# KiCad board CPU2908C3bak.kicad_pcb (continued)
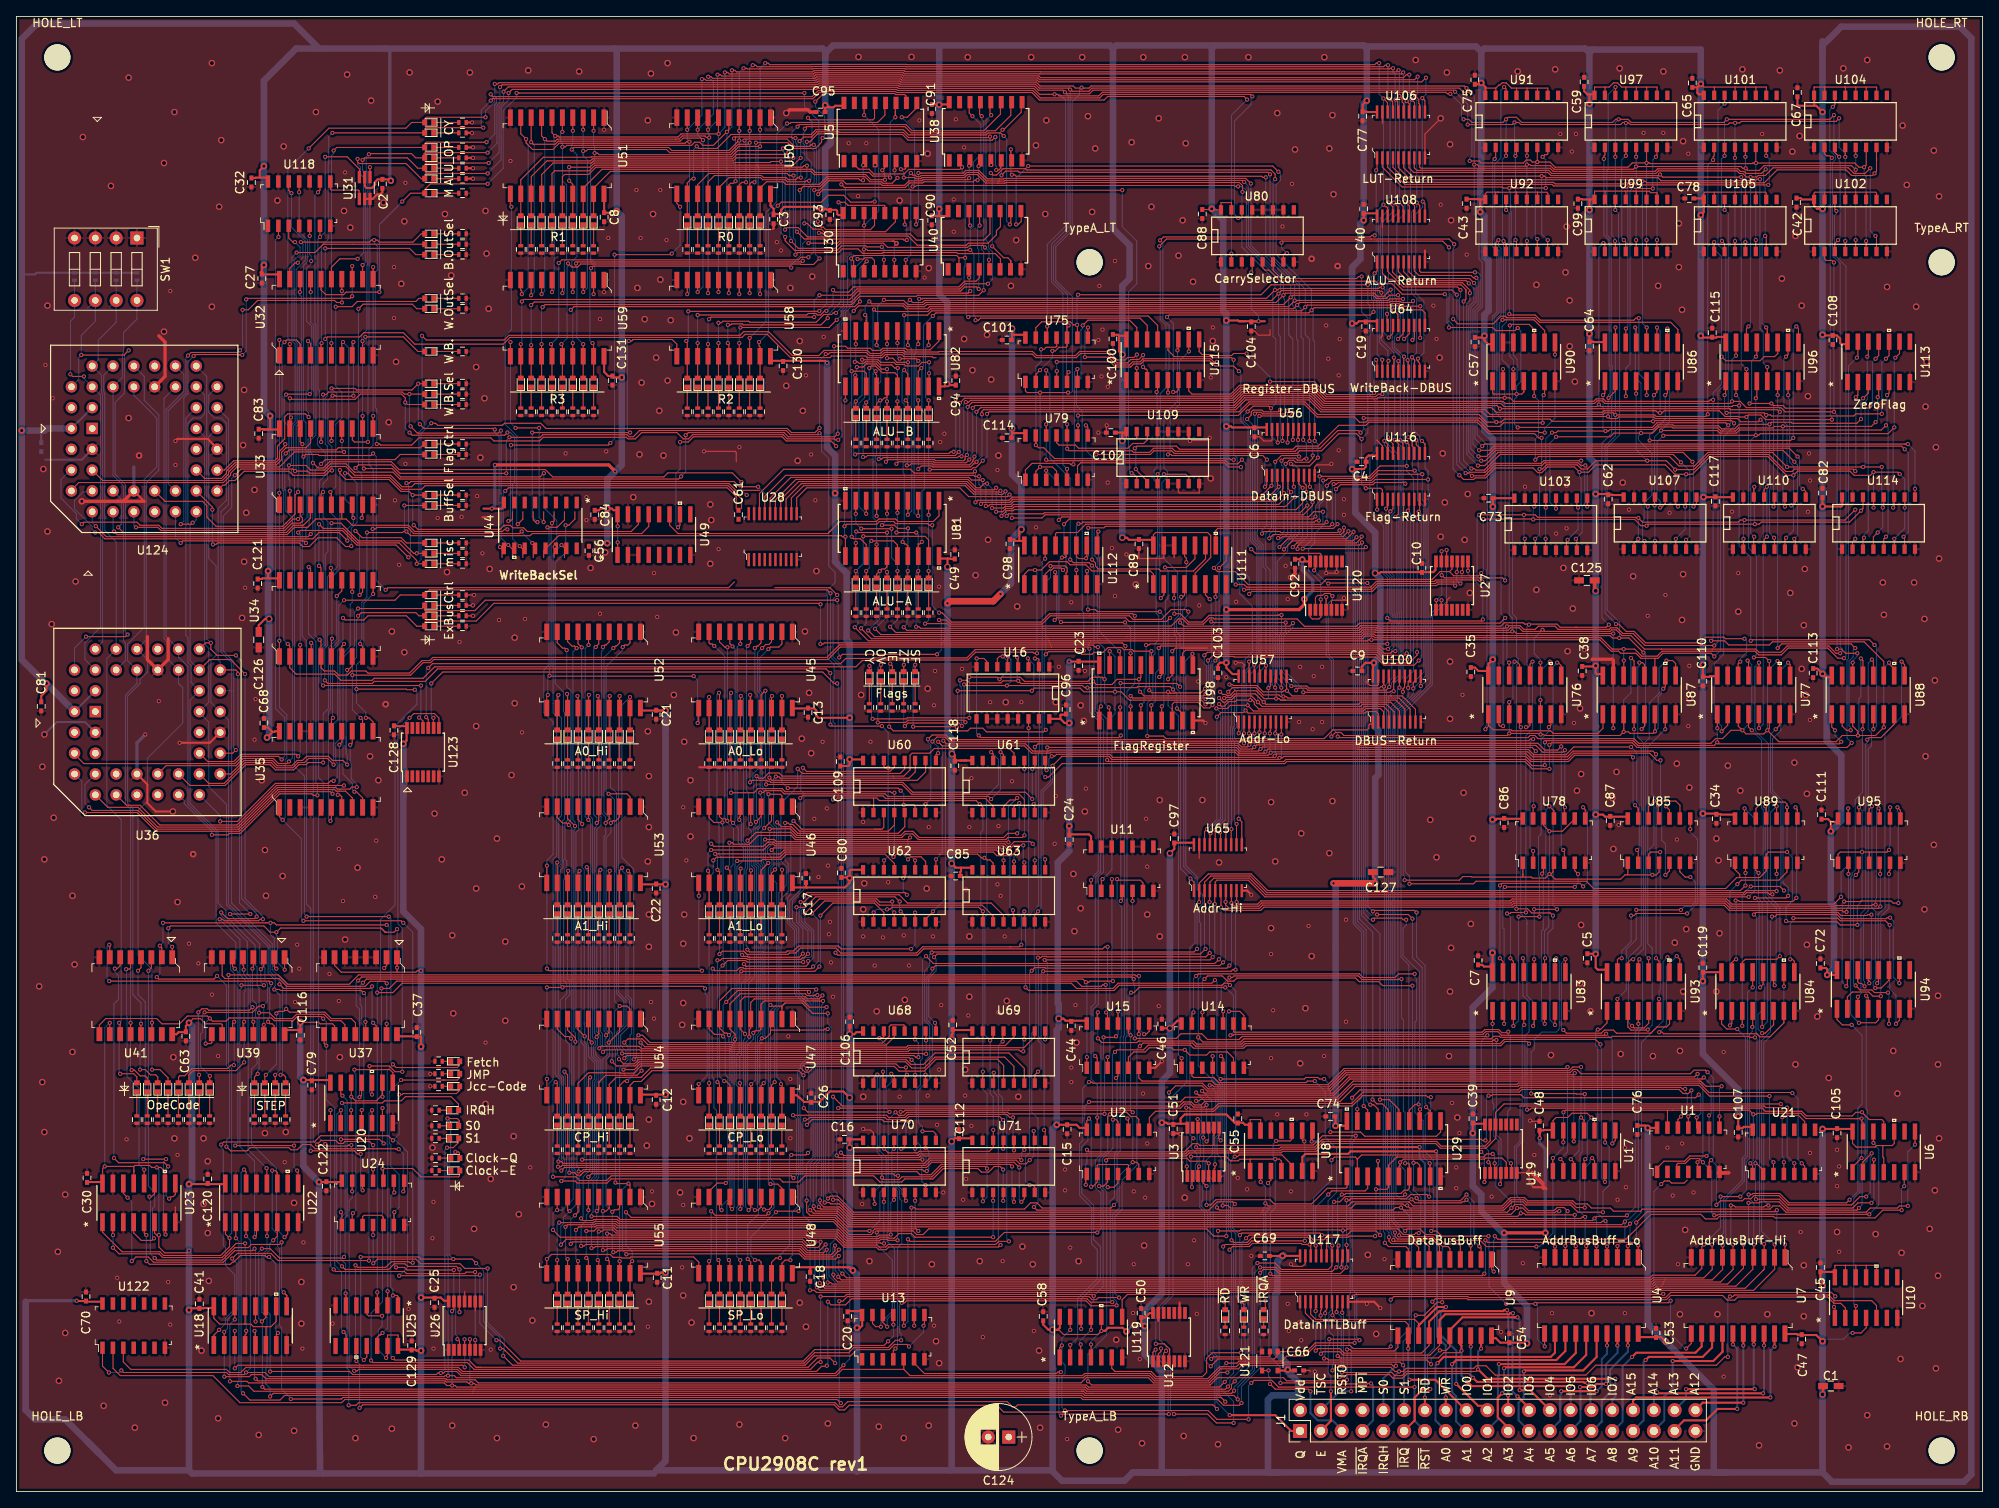
[diagram p0: board, top side]
## Routing (per net, layer and track width the routed paths; a pad name or vN(x,y) marks a point on that pad's centre or on a via; arc(x,y) is an arc through that point) (continued)
Net-(D147-Pad1): length 1
  Top w0.127: D147.1 147.54,20.14
Net-(D147-Pad2): length 47.1
  Top w0.127: U8.9 156.94,42.93 157.15,42.73 v1(157.21,42.73) ; v1(147.31,29.9) 147.56,30.15 150.35,30.15 150.79,30.59 v1(157.27,30.59) ; D147.2 147.54,23.06 v1(147.43,23.17) 147.43,23.52 146.9,24.06 135.62,24.06 134.97,23.41 U119.8
  Bottom w0.127: v1(147.31,29.9) 147.31,23.3 v1(147.43,23.17) ; v1(157.27,30.59) 157.27,42.67 v1(157.21,42.73)
Net-(D148-Pad1): length 2.9
  Top w0.127: D148.1 32.86,45.9
Net-(D149-Pad1): length 2.9
  Top w0.127: D149.1 31.59,45.9
Net-(D150-Pad1): length 2.9
  Top w0.127: D150.1 30.32,45.9
Net-(D151-Pad1): length 2.9
  Top w0.127: D151.1 29.05,45.9
Net-(D152-Pad1): length 2.9
  Top w0.127: D152.1 23.59,45.9
Net-(D153-Pad1): length 2.9
  Top w0.127: D153.1 22.32,45.9
Net-(D154-Pad1): length 2.9
  Top w0.127: D154.1 21.05,45.9
Net-(D155-Pad1): length 3
  Top w0.127: D155.1 19.78,45.78
Net-(D156-Pad1): length 2.9
  Top w0.127: D156.1 18.51,45.9
Net-(D157-Pad1): length 2.9
  Top w0.127: D157.1 17.24,45.9
Net-(D158-Pad1): length 2.9
  Top w0.127: D158.1 15.97,45.9
Net-(D159-Pad1): length 2.8
  Top w0.127: D159.1 14.7,46.03
Net-(D160-Pad1): length 1.4
  Top w0.127: D160.1 51.67,40.69
Net-(D161-Pad1): length 1.4
  Top w0.127: D161.1 51.67,39.17
Net-(D182-Pad1): length 0.9
  Top w0.127: R187.2 52.93,50.98
Net-(D183-Pad1): length 1.1
  Top w0.127: R188.2 53.06,49.46
Net-(D184-Pad1): length 1.2
  Top w0.127: D184.1 51.66,46.54
Net-(D184-Pad2): length 264.4
  Top w0.127: v1(39.74,47.43) 44.67,47.43 44.93,47.68 46.98,47.68 47.48,48.19 53.07,48.19 53.96,47.3 53.96,46.66 ; v1(189.72,40.57) 189.73,40.57 190.09,40.21 U17.3 ; U17.11 191.36,45.28 v1(190.99,45.65) ; v1(145.66,49.58) 146.01,49.58 146.2,49.39 160.2,49.39 162.17,51.36 189.53,51.36 189.98,51.81 v1(190.98,51.81) ; v1(40.19,24.19) 40.23,24.14 U25.6 ; v1(146.54,10.09) 146.04,10.59 122.23,10.59 121.99,10.35 121.57,10.35 120.94,10.98 101.47,10.98 100.84,10.35 100.42,10.35 99.92,10.85 41.77,10.85 41.46,10.54 v1(40.57,10.54)
  Bottom w0.127: v1(189.72,40.57) 190.74,41.59 190.74,45.4 v1(190.99,45.65) 190.98,45.66 v1(190.98,51.81) ; v1(145.66,49.58) 146.42,48.82 146.42,43.87 146.01,43.46 146.01,41.19 145.09,40.27 145.09,38.34 145.71,37.71 145.71,17.01 146.29,16.44 146.29,10.34 v1(146.54,10.09) ; v1(40.57,10.54) 40.57,14.85 40.37,15.04 40.37,23.64 40.19,23.83 v1(40.19,24.19) 40.19,27.78 39.55,28.42 39.55,33.4 39.74,33.58 39.75,33.58 40.12,33.95 40.12,47.04 v1(39.74,47.43)
Net-(D185-Pad1): length 1.1
  Top w0.127: R190.2 53.06,52.51
Net-(R170-Pad2): length 1.2
  Top w0.127: S0.1 51.66,44.63
Net-(R171-Pad2): length 1.2
  Top w0.127: S1.1 51.66,43.11
Net-(U1-Pad3): length 41.6
  Top w0.127: v1(226.17,33.84) 225.82,33.84 207.73,33.84 207.6,33.71 v1(207.25,33.71) ; 202.66,38.88 202.66,39.92 202.81,40.06 203.72,40.06 204.29,40.63 205.41,40.63 v1(205.85,40.19) ; U6.12 226.66,42.57
  Bottom w0.127: v1(207.25,33.71) 206.94,34.02 206.94,39.1 v1(205.85,40.19) ; v1(226.67,42.56) 226.94,42.3 226.94,42.17 227.32,41.79 227.32,34.98 v1(226.17,33.84)
Net-(U1-Pad5): length 81.6
  Top w0.127: 145.53,42.98 v1(145.27,42.73) ; v1(205.2,40.19) 205.2,38.92 ; v1(144.73,48.88) 144.98,48.63 160.71,48.63 162.69,50.6 204.83,50.6 v1(205.2,50.97)
  Bottom w0.127: v1(205.2,40.19) 205.85,40.84 205.85,49.71 205.2,50.36 v1(205.2,50.97) ; 145.91,44.38 145.91,47.7 v1(144.73,48.88) ; 145.91,44.38 145.91,44.12 145.52,43.74 145.52,42.98 v1(145.27,42.73) ; 145.91,44.38 145.91,44.15
Net-(U1-Pad6): length 160.6
  Top w0.127: v1(225.79,36) 225.03,36 224.01,34.98 216.27,34.98 215.13,36.12 212.09,36.12 211.71,35.74 210.93,35.74 210.67,35.48 208.01,35.48 v1(207.5,34.98) ; 128.62,15.8 128.64,15.82 v1(128.64,17.9) ; v1(206.87,40.44) 206.62,40.19 206.62,39.01 ; v1(206.42,51.17) 206.17,51.42 204.77,51.42 204.33,50.98 190.99,50.98 190.47,51.5 190.03,51.5 189.64,51.11 162.28,51.11 160.3,49.14 145.45,49.14 144.75,49.83 131.41,49.83 131.28,49.97 v1(130.92,49.97) ; v1(226.45,41.28) 225.4,40.22 U6.2
  Bottom w0.127: v1(207.5,34.98) 207.5,39.81 v1(206.87,40.44) 207.12,40.69 207.12,50.47 v1(206.42,51.17) ; v1(128.64,17.9) 129.53,18.79 129.53,23.55 131.94,25.96 131.94,29.52 131.24,30.21 131.24,34.66 129.78,36.12 129.78,42.47 130.16,42.85 130.16,49.2 v1(130.92,49.97) ; v1(225.79,36) 226.29,36.49 226.29,40.76 226.45,40.93 v1(226.45,41.28)
Net-(U1-Pad8): length 115.5
  Top w0.127: v1(208.14,49.46) 206.23,49.46 205.6,50.09 163.18,50.09 161.21,48.12 142.67,48.12 142.1,47.55 v1(130.92,47.55) ; 129.89,21.39 129.97,21.32 v1(129.97,19.87) ; U1.8 v1(207.88,45.78)
  Bottom w0.127: v1(208.14,49.46) 207.88,49.2 v1(207.88,45.78) ; v1(129.97,19.87) 129.97,23.48 132.32,25.84 132.32,29.9 131.5,30.72 131.5,34.91 130.04,36.37 130.04,42.1 130.8,42.85 130.8,44.63 130.41,45.02 130.41,47.04 v1(130.92,47.55)
Net-(U1-Pad10): length 75.6
  Top w0.127: v1(144,42.02) 144.18,41.84 154.16,41.84 154.35,42.03 158.47,42.03 159.41,42.98 178.83,42.98 178.96,42.85 v1(179.31,42.85) ; v1(205.34,48.44) 204.96,48.06 184.01,48.06 183.64,48.43 180.16,48.43 180.04,48.31 v1(179.69,48.31) ; 205.2,44.28 205.09,44.4 v1(205.09,45.65)
  Bottom w0.127: v1(144,42.02) 144,42.37 144.13,42.5 144.13,45.04 144.18,45.09 v1(144.18,45.45) ; v1(205.34,48.44) 205.6,48.19 205.6,46.16 v1(205.09,45.65) ; v1(179.31,42.85) 179.43,42.97 179.43,48.05 v1(179.69,48.31)
Net-(U1-Pad11): length 76
  Top w0.127: U1.11 v1(204.07,45.78) ; v1(142.8,46.85) 143.16,46.85 143.34,46.66 146.04,46.66 146.74,47.36 162.99,47.36 164.38,48.76 183.43,48.76 183.75,49.07 202.94,49.07 203.44,48.57 204.08,48.57 v1(204.46,48.95) ; 142.84,38.66 142.86,38.68 v1(142.86,39.68)
  Bottom w0.127: v1(204.46,48.95) 204.46,46.16 v1(204.07,45.78) ; v1(142.86,39.68) 142.86,46.79 v1(142.8,46.85)
Net-(U2-Pad8): length 106.6
  Top w0.127: v1(179.69,31.17) 173.98,31.17 173.35,31.8 v1(172.69,31.8) ; U7.11 204.44,18.07 v1(203.82,17.45) ; 138.29,44.38 138.29,45.65 139.05,46.41 146.15,46.41 146.79,47.05 163.04,47.05 164.3,48.31 172.1,48.31 172.29,48.12 v1(172.64,48.12) ; v1(201.92,23.3) 201.66,23.04 185.53,23.04 v1(185.41,22.91) v1(181.85,22.91) ; U4.11 186.53,17.72 v1(186.55,17.71)
  Bottom w0.127: v1(172.69,31.8) 172.94,32.05 172.94,40.46 171.97,41.43 171.97,45.93 172.64,46.6 v1(172.64,48.12) ; v1(201.92,23.3) 201.92,19.23 203.69,17.45 v1(203.82,17.45) ; v1(181.85,22.91) 179.75,25.01 179.75,31.11 v1(179.69,31.17) ; v1(185.41,22.91) 185.66,22.66 185.66,18.6 v1(186.55,17.71)
Net-(U2-Pad11): length 79.3
  Top w0.127: v1(133.85,45.39) 134.22,45.39 134.46,45.16 U2.11 ; v1(130.8,13.46) 131.24,13.01 145.72,13.01 146.61,13.9 154.67,13.9 155.05,13.52 161.78,13.52 161.91,13.64 v1(162.42,13.64) ; v1(162.42,17.34) 162.78,17.34 162.96,17.15 168.18,17.15 168.63,17.6 U9.11
  Bottom w0.127: v1(130.8,13.46) 130.8,16.81 133.08,19.1 133.08,36.61 132.61,37.09 132.61,37.49 132.58,37.51 132.58,40.63 133.85,41.89 v1(133.85,45.39) ; v1(162.42,13.64) 162.42,13.65 v1(162.42,17.34)
Net-(U10-Pad1): length 111
  Top w0.127: v1(221.85,22.53) 221.97,22.42 U10.1 ; 155.96,16.54 155.07,16.54 154.46,15.93 149.23,15.93 148.98,15.68 v1(147.69,15.68) ; 155.96,16.54 156.17,16.54 ; 155.96,16.54 157.3,16.54 158.59,17.84 162.8,17.84 163.18,17.45 167.5,17.45 v1(167.75,17.71) ; v1(148.58,8.38) 146.48,8.38 145.4,9.45 v1(141.29,9.45) ; v1(222.02,23.83) 221.54,24.3 201.93,24.3 201.3,23.68 177.28,23.68 177.16,23.8 168.13,23.8 v1(167.75,23.42) ; v1(139.71,17.47) 139.71,17.12 139.38,16.79 139.38,15.96
  Bottom w0.127: v1(222.02,23.83) 221.85,23.67 v1(221.85,22.53) ; v1(148.58,8.38) 148.58,10.98 147.05,12.5 147.05,15.04 v1(147.69,15.68) ; 141.21,9.54 140.87,9.87 140.87,15.24 139.71,16.4 v1(139.71,17.47) ; v1(167.75,23.42) v1(167.75,17.71)
Net-(U11-Pad4): length 50.6
  Top w0.127: v1(117.46,92.26) 117.72,92 134.55,92 v1(134.8,92.26) ; U16.7 118.46,101.29 118.09,101.66 v1(117.21,101.66) ; v1(134.8,72.06) 134.97,72.23 U11.4
  Bottom w0.127: v1(134.8,72.06) v1(134.8,92.26) ; v1(117.46,92.26) 117.21,92.51 v1(117.21,101.66)
Net-(U11-Pad5): length 191.3
  Top w0.127: v1(136.38,62.54) 136.13,62.79 42.16,62.79 v1(41.72,62.36) ; v1(179.68,40.19) 179.93,39.93 179.93,38.41 ; v1(136.51,55.3) 141.59,55.3 142.16,55.87 144.68,55.87 145.38,55.17 149.25,55.17 149.62,55.55 179.41,55.55 v1(179.55,55.68) ; U11.5 v1(136.24,72.06) ; U20.11 42.13,48.37 v1(41.88,48.12)
  Bottom w0.127: v1(136.24,72.06) 136.24,62.68 v1(136.38,62.54) 136.38,61.9 136.51,61.78 v1(136.51,55.3) ; v1(179.68,40.19) 179.68,41.6 178.8,42.47 178.8,54.94 v1(179.55,55.68) ; v1(41.72,62.36) 41.47,62.11 41.47,59.28 41.88,58.87 v1(41.88,48.12)
Net-(U11-Pad6): length 86.4
  Top w0.127: U11.6 137.51,74.27 137.18,74.6 134.48,74.6 v1(134.35,74.73) ; v1(133.97,34.98) 133.59,34.6 125.21,34.6 124.58,35.23 123.8,35.23 123.04,34.47 109.8,34.47 109.61,34.66 v1(109.26,34.66) ; v1(109.59,20.25) 109.57,20.26 U13.9
  Bottom w0.127: v1(134.35,74.73) 134.35,71.86 134.92,71.29 134.92,58.39 134.86,58.33 134.86,55.55 134.73,55.43 134.73,54.03 ; 134.73,41.58 134.73,54.03 ; 134.73,54.03 134.73,54.28 ; v1(109.59,20.25) 109.59,30.93 109.26,31.26 v1(109.26,34.66) ; 134.73,41.61 134.35,41.22 134.35,35.36 v1(133.97,34.98)
Net-(U12-Pad1): length 47.8
  Top w0.127: v1(127.49,14.59) 127.14,14.59 126.95,14.41 110.84,14.41 109.57,15.68 U13.6 ; v1(127.49,9.27) 127.68,9.45 v1(140.67,9.45) ; v1(139.05,17.33) 138.73,17 138.73,15.91
  Bottom w0.127: 140.57,9.55 140.57,15.01 139.05,16.53 139.05,17.33 v1(139.05,17.33) ; v1(127.49,9.27) 127.24,9.52 127.24,14.34 v1(127.49,14.59)
Net-(U12-Pad3): length 56.6
  Top w0.127: U12.3 140.04,16.89 v1(140.32,17.17) ; U15.5 135.73,53 136.38,53.65 137.78,53.65 138.29,54.16 141.02,54.16 141.28,53.9 v1(142.61,53.9) 143.24,53.27 145.27,53.27 145.66,53.65 147.81,53.65 148.56,52.9 U14.6
  Bottom w0.127: v1(142.61,53.9) 142.86,53.65 142.86,49.96 141.18,48.29 141.18,23.91 139.53,22.25 139.53,18.53 140.33,17.72 140.33,17.18 v1(140.32,17.17)
Net-(U12-Pad4): length 95.8
  Top w0.127: v1(140.69,48.7) 141.51,49.52 144.71,49.52 145.35,48.88 160.41,48.88 162.38,50.85 190,50.85 v1(190.21,51.06) ; v1(190.1,42.73) 190.09,42.74 U17.12 ; 140.76,17.39 140.76,16.83 140.69,16.75 U12.4 ; 140.76,17.39 140.12,18.03 v1(139.08,18.03) ; 140.76,17.39 140.76,17.11
  Bottom w0.127: v1(190.21,51.06) 190.1,50.95 v1(190.1,42.73) ; v1(140.69,48.7) 140.69,23.77 139.08,22.17 v1(139.08,18.03)
Net-(U13-Pad4): length 156.3
  Top w0.127: U13.4 107.03,17.18 v1(107.3,17.45) ; U15.10 135.73,55.95 v1(136,55.68) ; v1(148.19,55.68) 148.55,55.68 148.67,55.8 179.02,55.8 179.34,56.12 180.83,56.12 181.27,55.68 193.86,55.68 v1(194.04,55.87) ; v1(136.26,46.28) 136.01,46.53 121.1,46.53 121.1,46.54 108.48,46.54 108.29,46.34 v1(107.94,46.34) ; U17.8 195.17,42.84 v1(194.8,42.47) ; v1(136.07,60.89) 136.42,60.89 137.06,61.52 v1(147.56,61.52)
  Bottom w0.127: v1(147.56,61.52) 148.57,60.51 148.57,56.06 v1(148.19,55.68) ; 107.81,36.76 107.81,35.74 108.06,35.49 108.06,31 108.06,30.28 107.55,29.77 107.55,17.7 v1(107.3,17.45) ; 107.81,36.76 107.81,36.63 ; 107.81,36.76 107.16,37.41 107.16,38.76 107.56,39.16 107.56,45.55 107.94,45.93 v1(107.94,46.34) ; v1(194.8,42.47) 194.8,55.11 v1(194.04,55.87) ; v1(136.26,46.28) 136,46.54 v1(136,55.68) 136,56.03 135.82,56.22 135.82,60.64 v1(136.07,60.89)
Net-(U13-Pad8): length 86.7
  Top w0.127: v1(110.73,20.25) 110.84,20.36 110.84,21.55 ; v1(108.95,17.71) 108.7,17.96 107.17,17.96 106.53,17.32 102.6,17.32 101.84,16.56 97.39,16.56 96.25,15.42 60.56,15.42 v1(59.42,16.56) ; v1(43.55,31.3) 43.53,31.31 U24.4 ; v1(57.52,27.23) 54.72,27.23 54.14,27.81 49.32,27.81 48.76,28.37 44.08,28.37 v1(43.57,27.85)
  Bottom w0.127: v1(108.95,17.71) 110.73,19.49 v1(110.73,20.25) ; v1(43.55,31.3) 43.55,27.88 v1(43.57,27.85) ; v1(57.52,27.23) 57.52,20.62 59.55,18.59 59.55,17.2 59.42,17.07 v1(59.42,16.56)
Net-(U13-Pad10): length 133.5
  Top w0.127: v1(180.65,55.11) 180.29,55.11 180.11,54.92 149.87,54.92 149.55,54.61 144.06,54.61 143.69,54.98 141.12,54.98 136.95,54.98 136.76,54.79 132.51,54.79 v1(132,55.3) ; U13.10 108.3,20.26 v1(108.32,20.25) ; v1(181.09,37.52) 181.2,37.63 U19.4 ; U15.13 131.92,58.4 v1(132,58.47) ; v1(108.83,30.79) 109.07,30.54 119.5,30.54 120.58,31.62 v1(131.94,31.62)
  Bottom w0.127: v1(181.09,37.52) 181.09,38.42 181.22,38.54 181.22,42.98 180.65,43.55 v1(180.65,55.11) ; v1(131.94,31.62) 132.38,32.06 132.38,36.41 131.7,37.09 131.7,40.47 132.38,41.15 132.38,54.92 v1(132,55.3) v1(132,58.47) ; v1(108.83,30.79) 108.83,20.76 v1(108.32,20.25)
Net-(U13-Pad12): length 70.5
  Top w0.127: v1(134.48,58.6) 134.46,58.59 U15.11 ; v1(132.7,55.43) 134.1,55.43 v1(134.22,55.55) ; 105.76,21.55 105.76,20.65 v1(106.28,20.12) ; v1(107.3,46.28) 107.68,45.9 108.32,45.9 108.7,46.28 121,46.28 121.19,46.09 v1(132.82,46.09)
  Bottom w0.127: v1(106.28,20.12) 106.28,21.02 107.17,21.91 107.17,29.66 106.28,30.56 106.28,31.57 106.41,31.7 106.41,45.39 v1(107.3,46.28) ; v1(132.82,46.09) 132.82,52.74 132.7,52.85 v1(132.7,55.43) ; v1(134.48,58.6) 134.48,55.81 v1(134.22,55.55)
Net-(U13-Pad13): length 89.3
  Top w0.127: U13.13 104.49,20.52 104.89,20.12 v1(105.52,20.12) ; v1(105.01,31.62) 105.19,31.8 109.44,31.8 109.88,31.36 110.67,31.36 111.37,32.06 145.27,32.06 146.16,31.17 v1(147.69,31.17) ; v1(148.01,58.6) 149.34,58.6 149.83,58.11 U14.8
  Bottom w0.127: v1(105.01,31.62) 105.01,30.16 106.92,28.25 106.92,22.02 105.52,20.62 v1(105.52,20.12) ; v1(147.69,31.17) 147.69,58.28 v1(148.01,58.6)
Net-(U14-Pad9): length 52.3
  Top w0.127: v1(182.43,40.06) 182.5,39.99 U19.6 ; 148.58,56.95 148.58,56.19 148.71,56.05 178.91,56.05 179.23,56.38 180.93,56.38 181.32,55.99 181.98,55.99 v1(182.1,56.12)
  Bottom w0.127: 182.36,40.06 182.03,40.39 182.03,43.14 182.04,43.15 182.04,43.57 182.03,43.58 182.03,46.39 182.34,46.7 182.34,55.53 182.1,55.77 v1(182.1,56.12)
Net-(U15-Pad6): length 68
  Top w0.127: v1(188.45,40.57) 188.46,40.57 188.82,40.21 U17.2 ; U15.6 137,50.49 137.4,50.09 145.91,50.09 146.36,49.64 160.09,49.64 162.07,51.62 189.13,51.62 v1(189.33,51.81)
  Bottom w0.127: v1(189.33,51.81) 189.33,41.44 v1(188.45,40.57)
Net-(U15-Pad8): length 174.8
  Top w0.127: U15.8 138.27,56.17 137.91,55.81 v1(137.65,55.81) ; U23.1 10.51,31.65 12.9,29.27 17.51,29.27 17.97,28.81 24.93,28.81 26.02,29.9 v1(26.02,30.92) 25.51,31.42 25.51,32.57 ; v1(25.89,63.05) 31.99,63.05 33.13,61.9 40.63,61.9 41.77,63.05 136.54,63.05 136.67,62.92 v1(137.02,62.92)
  Bottom w0.127: v1(26.02,30.92) 26.02,31.27 26.27,31.52 26.27,51.66 25.89,52.04 v1(25.89,63.05) ; v1(137.65,55.81) 137.02,56.44 v1(137.02,62.92)
Net-(U15-Pad12): length 120
  Top w0.127: U15.12 133.19,58.3 v1(133.02,58.47) ; U20.3 v1(40.86,46.54) ; 44.69,49.97 44.69,48.44 43.93,47.68 41.39,47.68 v1(40.88,48.19) 40.88,49.59 ; v1(132.96,61.84) 132.6,61.84 132.42,61.65 130.03,61.65 129.4,62.28 46.41,62.28 45.52,61.4 v1(44.56,61.4) ; 44.67,50.49 44.69,50.47 v1(44.69,48.19)
  Bottom w0.127: v1(133.02,58.47) 133.02,61.77 v1(132.96,61.84) ; v1(44.56,61.4) 44.56,48.31 v1(44.69,48.19) ; v1(40.88,48.19) 40.86,48.2 v1(40.86,46.54)
Net-(U18-Pad3): length 39.3
  Top w0.127: v1(54.72,15.17) 54.47,15.43 27.04,15.43 v1(26.66,15.04) ; v1(26.66,19.61) 26.64,19.6 U18.3 ; U26.4 v1(54.71,18.58)
  Bottom w0.127: v1(26.66,19.61) v1(26.66,15.04) ; v1(54.72,15.17) 54.72,18.56 v1(54.71,18.58)
Net-(U19-Pad12): length 210.4
  Top w0.127: 180.58,44.49 180.58,43.11 179.37,41.9 173.81,41.9 173.24,42.47 159.62,42.47 158.68,41.52 154.56,41.52 154.37,41.33 148.33,41.33 148.33,41.32 143.16,41.32 142.78,40.95 110.34,40.95 110.15,40.75 100.38,40.75 v1(100.12,41.01) ; v1(215.55,45.69) 215.9,45.69 216.11,45.9 217.54,45.9 218.28,45.16 218.28,44.16 ; v1(215.36,47.3) 181.58,47.3 180.55,46.27 U19.12 ; 215.74,38.76 v1(215.74,40.19) ; 92.57,110.29 99.3,110.29 v1(100.19,109.4)
  Bottom w0.127: v1(100.19,109.4) 99.68,108.89 99.68,101.89 100.95,100.62 100.95,45.6 100.12,44.77 v1(100.12,41.01) ; v1(215.36,47.3) 215.55,47.11 v1(215.55,45.69) 215.55,40.9 215.74,40.71 v1(215.74,40.19)
Net-(U20-Pad1): length 48
  Top w0.127: v1(55.99,26.78) 54.91,26.78 54.72,26.6 47.61,26.6 47.35,26.86 38.97,26.86 v1(38.72,27.11) ; v1(38.34,46.54) 38.34,45.14 ; 56.01,17.3 v1(56.01,18.48)
  Bottom w0.127: v1(38.34,46.54) 38.34,27.49 v1(38.72,27.11) ; v1(55.99,26.78) 56.01,26.77 v1(56.01,18.48)
Net-(U20-Pad2): length 42.4
  Top w0.127: v1(39.61,46.54) 39.61,45.27 ; v1(39.74,27.49) 40.11,27.11 45.44,27.11 46.13,27.8 47.42,27.8 47.75,27.48 53.71,27.48 v1(54.09,27.11) ; U26.12 54.06,21.93 v1(54.09,21.9)
  Bottom w0.127: v1(54.09,21.9) v1(54.09,27.11) ; v1(39.74,27.49) 39.1,28.12 39.1,46.03 v1(39.61,46.54)
Net-(U20-Pad6): length 22.1
  Top w0.127: v1(39.61,34.09) 39.72,33.98 U24.1 ; v1(39.61,42.98) 44.33,42.98 v1(44.82,42.48) ; U20.6 44.67,46.78 v1(44.69,46.79)
  Bottom w0.127: v1(44.82,42.48) 44.69,42.62 v1(44.69,46.79) ; v1(39.61,34.09) v1(39.61,42.98)
Net-(U20-Pad8): length 25
  Top w0.127: v1(41.07,33.96) 40.99,33.89 U24.2 ; v1(41.26,51.49) 45.58,51.49 45.96,51.11 45.96,50.22
  Bottom w0.127: v1(41.26,51.49) 41.26,51.14 41.43,50.97 41.43,34.33 v1(41.07,33.96)
Net-(U21-Pad3): length 240
  Top w0.127: v1(99.68,48.19) 100.82,47.05 141.95,47.05 142.45,47.55 143.42,47.55 143.79,47.17 144.62,47.17 145.06,47.61 161.59,47.61 163.43,49.45 183.3,49.45 183.43,49.58 205.35,49.58 206.67,48.26 v1(213.98,48.26) ; v1(99.94,15.68) 99.3,16.31 97.78,16.31 96.63,15.17 56.25,15.17 ; v1(45.94,16.31) 46.2,16.05 55.23,16.05 56.11,15.17 56.25,15.17 ; U21.3 v1(214.47,40.19) ; 56.25,15.17 56.75,15.17 ; U24.9 46.07,36.56 v1(46.13,36.5) ; 46.58,22.15 46.58,23.82 46.47,23.93 v1(45.96,23.93)
  Bottom w0.127: v1(214.47,40.19) 213.98,40.68 v1(213.98,48.26) ; v1(99.68,48.19) 99.68,36.88 100.19,36.38 100.19,31.04 99.35,30.2 99.35,29.32 99.17,29.14 99.17,26.33 99.94,25.57 v1(99.94,15.68) ; v1(46.13,36.5) 45.69,36.06 45.69,24.94 45.96,24.67 v1(45.96,23.93) 45.71,23.68 45.71,16.55 v1(45.94,16.31)
Net-(U24-Pad3): length 4.7
  Top w0.127: U24.3 42.26,33.55 42.42,33.71 44.56,33.71 44.8,33.47 U24.5
Net-(U24-Pad11): length 74.8
  Top w0.127: v1(43.55,42.28) 43.1,42.73 40.12,42.73 39.86,42.47 39.36,42.47 38.98,42.85 37.2,42.85 v1(36.69,42.35) ; v1(35.99,103.56) 35.99,102.24 35.91,102.16 ; U24.11 v1(43.53,39.3)
  Bottom w0.127: v1(36.69,42.35) 36.24,42.8 36.24,103.31 v1(35.99,103.56) ; v1(43.53,39.3) 43.53,42.26 v1(43.55,42.28)
Net-(U27-Pad2): length 102.4
  Top w0.127: 187.56,76.25 187.56,75.61 187.25,75.3 ; 183.88,74.98 177.66,74.98 177.6,75.04 176.56,75.04 176.13,74.62 176.13,74.6 v1(169.45,74.6) ; 183.88,74.98 184.9,74.98 185.03,74.86 186.64,74.86 v1(187.12,75.35) 187.2,75.35 187.25,75.3 ; 183.88,74.98 183.88,75.37 ; 183.88,75.37 183.88,76.64 ; 183.88,75.37 183.88,75.11 ; 187.25,75.3 187.82,74.73 195.82,74.73 196.34,75.25 v1(199.7,75.25) 200.15,75.25 200.5,75.6 U85.4 ; U27.2 173.93,108.74 v1(173.95,108.76) ; U85.1 196.69,75.25 ; U85.12 199.23,83.61 v1(199.88,84.26) 202.55,84.26 203.06,83.75 203.06,82.1 ; 190.23,82.1 188.71,80.57 v1(187.12,80.57) 186.42,81.28 186.42,81.84
  Bottom w0.127: v1(199.88,84.26) 199.88,78.92 199.38,78.41 199.38,75.57 v1(199.7,75.25) ; v1(187.12,75.35) v1(187.12,80.57) ; v1(173.95,108.76) 173.95,108.41 172.58,107.03 172.58,98.64 169.26,95.33 169.28,95.31 169.28,75.24 169.45,75.07 v1(169.45,74.6)
Net-(U27-Pad8): length 109.8
  Top w0.127: v1(164.96,147.25) 153.15,147.25 151.94,146.04 v1(129.59,146.04) ; v1(167.33,106.6) 167.71,106.23 178.81,106.23 v1(179,106.41) ; U27.8 v1(177.18,112.35) ; U75.13 124.43,142.03 125.14,142.74 128.64,142.74 129.02,142.36 129.02,142.36 v1(129.46,142.36) 129.51,142.31 U75.9
  Bottom w0.127: v1(167.33,106.6) 167.33,111.52 166.89,111.96 166.89,117.83 165.21,119.51 165.21,126.29 165.85,126.93 165.85,133.15 165.21,133.79 165.21,144.71 164.96,144.96 v1(164.96,147.25) ; v1(129.59,146.04) 129.46,145.91 v1(129.46,142.36) ; v1(179,106.41) 179,110.18 177.18,112 v1(177.18,112.35)
Net-(U27-Pad9): length 66.7
  Top w0.127: v1(149.85,110.04) 150.2,110.04 150.26,110.1 165.4,110.1 166.1,110.8 173.21,110.8 173.4,110.99 176.08,110.99 v1(176.26,110.8) ; v1(176.44,112.2) 176.53,112.29 U27.9 ; 129.53,123.63 129.53,125.15 129.91,125.53 147.48,125.53 147.94,125.07 147.94,125.02 v1(149.47,125.02)
  Bottom w0.127: v1(149.85,110.04) 149.6,110.29 149.6,124.89 v1(149.47,125.02) ; v1(176.44,112.2) 176.44,110.98 v1(176.26,110.8)
Net-(U27-Pad10): length 75.6
  Top w0.127: v1(175.63,110.55) 175.44,110.73 173.53,110.73 173.34,110.55 166.21,110.55 165.5,109.84 150.79,109.84 v1(150.48,109.53) ; v1(149.59,125.91) 149.09,125.41 147.96,125.41 147.58,125.78 125.83,125.78 v1(125.7,125.91) ; v1(125.7,130.23) 125.7,128.83 ; v1(175.81,112.2) 175.88,112.26 U27.10
  Bottom w0.127: v1(125.7,125.91) v1(125.7,130.23) ; v1(150.48,109.53) 150.48,111.55 150.08,111.94 150.08,125.42 v1(149.59,125.91) ; v1(175.63,110.55) 175.81,110.73 v1(175.81,112.2)
Net-(U27-Pad12): length 158.2
  Top w0.127: v1(224.71,69.14) 222.62,69.14 222.24,69.52 216.11,69.52 v1(216.01,69.63) ; 216.14,82.99 216.12,83 216.12,83.89 215.89,84.13 213.09,84.13 212.33,83.37 212.33,81.97 ; 216.14,82.99 216.14,82.1 ; 216.14,82.99 216.14,83.12 216.12,83.14 v1(216.12,83.49) ; 226.17,78.03 226.17,77.27 ; 226.17,78.03 v1(225.28,78.03) 222.62,78.03 222.35,77.76 U95.1 ; 226.17,78.03 228.33,78.03 v1(228.59,78.29) ; v1(174.57,114.88) 174.58,114.87 U27.12 ; U89.4 213.58,77.76 213.85,78.03 v1(216.14,78.03) ; v1(170.04,74.16) 177.85,74.16 178.17,74.48 191.63,74.48 192.52,73.59 208.65,73.59 209.98,74.92 210.36,74.92 ; 210.36,74.92 210.36,75.3 209.77,75.89 U89.1 ; 210.36,74.92 212.77,74.92 213.6,75.75 213.6,76.51 ; v1(224.9,83.49) 224.9,82.22 ; v1(228.71,83.49) 228.71,81.97
  Bottom w0.127: v1(170.04,74.16) 170.04,75.11 169.53,75.62 169.53,95.18 172.83,98.48 172.83,106.86 174.57,108.6 v1(174.57,114.88) ; v1(228.59,78.29) 228.59,78.67 228.71,78.8 v1(228.71,83.49) ; v1(224.71,69.14) 224.71,71.49 225.28,72.06 v1(225.28,78.03) 225.28,83.11 v1(224.9,83.49) ; v1(216.12,83.49) 216.12,78.05 v1(216.14,78.03) 216.78,77.4 216.78,72.06 216.01,71.29 v1(216.01,69.63)
Net-(U31-Pad4): length 38.4
  Top w0.127: v1(43.15,161.6) 43.16,161.58 U31.4 ; v1(42.91,128.07) 41.26,128.07 41.01,128.32 41.01,129.85
  Bottom w0.127: v1(43.15,161.6) 43.15,149.66 43.04,149.55 43.04,134.68 42.91,134.55 v1(42.91,128.07)
Net-(U37-Pad15): length 29.4
  Top w0.127: v1(45.2,62.02) 44.95,62.27 43.19,62.27 42.57,61.65 33.01,61.65 32.05,62.61 25.45,62.61 25.12,62.94 U39.7 ; v1(45.2,57.08) 45.18,57.06 U37.15
  Bottom w0.127: v1(45.2,57.08) v1(45.2,62.02)
Net-(U39-Pad15): length 33.2
  Top w0.127: U41.7 11.4,66.67 v1(11.34,66.73) ; 31.47,55.55 31.47,56.84 31.22,57.08 30.97,57.08 v1(30.72,57.33) ; v1(11.33,62.28) 30.85,62.28 v1(31.1,62.03)
  Bottom w0.127: v1(11.33,62.28) 11.07,62.55 11.07,66.46 v1(11.34,66.73) ; v1(31.1,62.03) 31.1,61.68 30.91,61.49 30.91,57.88 30.72,57.69 v1(30.72,57.33)
Net-(U49-Pad10): length 59.7
  Top w0.127: v1(80.76,117.66) 81,117.89 U49.10 ; v1(99.81,139.75) 101.2,139.75 101.45,139.51 104.23,139.51 104.49,139.25 105.5,139.25 105.75,139.5 108.54,139.5 108.73,139.31 111.52,139.31 112.62,140.4 U82.1 ; v1(100.06,127.56) 99.43,128.2 93.97,128.2 93.46,128.71 82.64,128.71 82.01,128.07 v1(81.01,128.07)